# Altium PCB GameBoard_V1I1.PcbDoc (part 21 of 22)
Units mil, origin at the board's own origin, x right, y up, seen from the top; angles counter-clockwise.
Board outline 7165.35 x 2814.96 mil, 12 copper layers (L1, L2, L3, L4, L5 (PWR), L6 (PWR), L7 (PWR), L8 (PWR), L9, L10, L11, L12), stack 61.575 mil thick; 1551 components, 1072 nets, 5467 pads, 3785 vias.
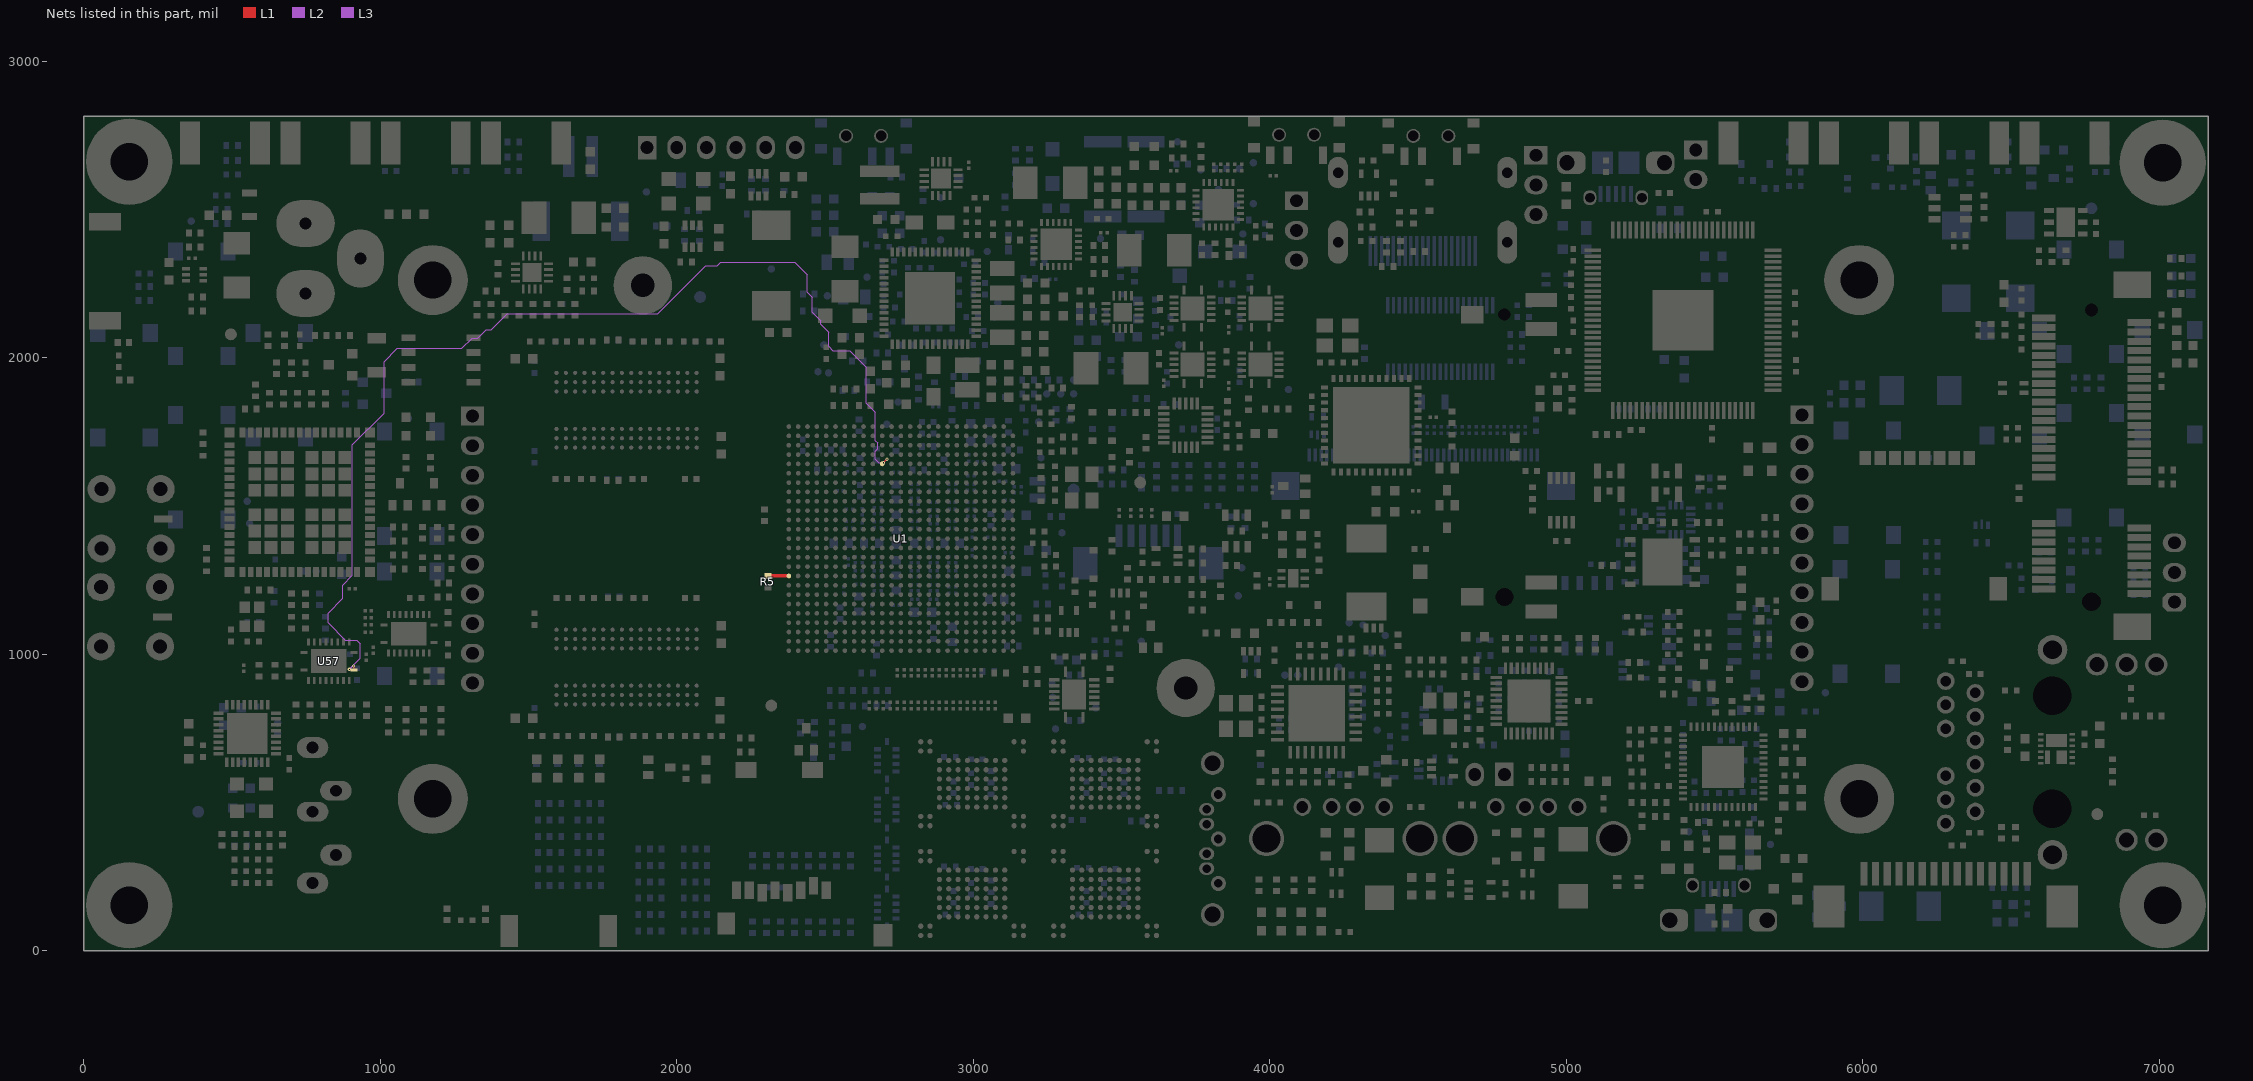
[diagram p31: the nets of this part, all layers, seen from the top]

## Via types
v1: diameter 17.72, hole 7.87, L1 to L12, 1935 vias
v2: diameter 17.72, hole 7.87, L1 to L12, tented both sides, 995 vias
v3: diameter 10.63, hole 3.94, L1 to L2, 334 vias
v4: diameter 11.81, hole 3.94, L2 to L3, 334 vias
v5: diameter 10.63, hole 3.94, L11 to L12, 94 vias
v6: diameter 11.81, hole 3.94, L10 to L11, 93 vias

## Nets (pads, with @x,y where several pads share a name; then routed paths per layer and width w, separated by ;. In a path a pad name is that pad's centre, name@x,y a point inside that pad or via, vN(x,y) a via of type N, cw(c..) or ccw(c..) an arc to the next point about the centre after c; other vN are vias at no path point) (continued)
XTALOSC_REF_CLK_32K: U1.R5 U57.20 | length 3644.2
  L1 w3.15: v3(909.45,960.63) 911.42,958.66 U57.20@911.42,946.85 ; U1.R5@2692.91,1641.73 v3(2708.66,1657.48)
  L3 w3.15: v4(895.67,948.82) 933.07,986.22 933.07,1035.43 921.26,1047.24 881.89,1047.24 823.82,1105.31 823.82,1138.78 873.03,1187.99 873.03,1232.93 905.51,1265.41 905.51,1705.92 1012.8,1813.2 1012.8,1986.22 1058.07,2031.5 1275.07,2031.5 1309.52,2065.94 1328.37,2065.94 1356.92,2094.49 1374.02,2094.49 1428.15,2148.62 1936.02,2148.62 2097.44,2310.04 2136.81,2310.04 2148.62,2321.85 2397.95,2321.85 2439.96,2279.84 2439.96,2220.78 2457.52,2203.22 2457.52,2152.56 2485.24,2124.84 2485.24,2112.2 2511.81,2085.63 2511.81,2038.18 2526.37,2023.62 2582.68,2023.62 2638.78,1967.52 2638.78,1846.06 2669.29,1815.55 2669.29,1720.47 2677.17,1712.6 2677.17,1692.91 2669.29,1685.04 2669.29,1658.16 2681.78,1645.67 v4(2696.85,1645.67)
  L2 w3.15: v4(895.67,948.82) 897.64,948.82 v3(909.45,960.63) ; v4(2696.85,1645.67) v3(2708.66,1657.48)
ZQPAD: R5.1 U1.AE17 | length 66.9
  L1 w11.81: R5.1@2311.02,1263.78 U1.AE17@2377.95,1263.78
pads on no net: A1.2 A2.2 CTP1. FID1.1 FID2.1 FID3.1 FID4.1 FID5.1 FID6.1 FID7.1 FID8.1 J2.3 J2.5 J2.7 J2.45 J2.47 J2.55 J2.56 J3.7 J3.8 J8. J14.8 J18.4 J20.0 LCD1.35 LCD2. SW1.0 SW2.0 SW3.0 U1.A9 U1.A10 U1.A11 U1.AA1 U1.AA2 U1.AA3 U1.AA4 U1.AA11 U1.AB1 U1.AB2 U1.AB17 U1.AD17 U1.B9 U1.B10 U1.B11 U1.C5 U1.C8 U1.D5 U1.E1 U1.E2 U1.E14 U1.E25 U1.F1 U1.F2 U1.F14 U1.G1 U1.G2 U1.G4 U1.H1 U1.H2 U1.H3 U1.H4 U1.H24 U1.J19 U1.J20 U1.L1 U1.L3 U1.L4 U1.L6 U1.M2 U1.M4 U1.M5 U1.M6 U1.N5 U1.N6 U1.P4 U1.P5 U1.P6 U1.P20 U1.V24 U1.W6 U1.W21 U1.W24 U1.Y1 U1.Y2 U1.Y3 U1.Y4 U2.J1 U2.J9 U2.L1 U2.L9 U3.J1 U3.J9 U3.L1 U3.L9 U4.J1 U4.J9 U4.L1 U4.L9 U5.J1 U5.J9 U5.L1 U5.L9 U14.43 U17.1 U18.18 U18.20 U20.8 U20.9 U20.11 U20.12 U20.17 U20.18 U20.19 U20.22 U20.28 U28.3 U28.4 U32.1 U42.40 U42.41 U42.42 U42.49 U42.50 U42.51 U42.52 U42.53 U42.54 U42.55 U42.56 U42.59 U42.60 U42.61 U42.62 U42.63 U42.64 U42.65 U42.66 U42.69 U42.70 U42.71 U42.72 U42.73 U42.74 U42.75 U42.77 U42.96 U43.1 U43.13 U43.25 U43.34 U43.35 U43.36 U43.44 U44.33 U47.A1 U47.A2 U47.A9 U47.A10 U47.B1 U47.B9 U47.B10 U47.D6 U47.D7 U47.D8 U47.E3 U47.E4 U47.E5 U47.E6 U47.E7 U47.E8 U47.F3 U47.F4 U47.F5 U47.F6 U47.F8 U47.G3 U47.G6 U47.G7 U47.G8 U47.H3 U47.H5 U47.H6 U47.H7 U47.J3 U47.J5 U47.L1 U47.L2 U47.L9 U47.L10 U47.M1 U47.M2 U47.M9 U47.M10 U48.A1 U48.A2 U48.A9 U48.A10 U48.B1 U48.B9 U48.B10 U48.D6 U48.D7 U48.D8 U48.E3 U48.E4 U48.E5 U48.E6 U48.E7 U48.E8 U48.F3 U48.F4 U48.F5 U48.F6 U48.F8 U48.G3 U48.G6 U48.G7 U48.G8 U48.H3 U48.H5 U48.H6 U48.H7 U48.J3 U48.J5 U48.L1 U48.L2 U48.L9 U48.L10 U48.M1 U48.M2 U48.M9 U48.M10 U49.A1 U49.A2 U49.A9 U49.A10 U49.B1 U49.B9 U49.B10 U49.D6 U49.D7 U49.D8 U49.E3 U49.E4 U49.E5 U49.E6 U49.E7 U49.E8 U49.F3 U49.F4 U49.F5 U49.F6 U49.F8 U49.G3 U49.G6 U49.G7 U49.G8 U49.H3 U49.H5 U49.H6 U49.H7 U49.J3 U49.J5 U49.L1 U49.L2 U49.L9 U49.L10 U49.M1 U49.M2 U49.M9 U49.M10 U50.A1 U50.A2 U50.A9 U50.A10 U50.B1 U50.B9 U50.B10 U50.D6 U50.D7 U50.D8 U50.E3 U50.E4 U50.E5 U50.E6 U50.E7 U50.E8 U50.F3 U50.F4 U50.F5 U50.F6 U50.F8 U50.G3 U50.G6 U50.G7 U50.G8 U50.H3 U50.H5 U50.H6 U50.H7 U50.J3 U50.J5 U50.L1 U50.L2 U50.L9 U50.L10 U50.M1 U50.M2 U50.M9 U50.M10 U52.1 U54.6 U55.2 U55.3 U55.4 U55.5 U55.21 U55.22 U55.25 U55.62 U58.1
copper on no net:
  other v1: 1681.1,2401.57

## Polygon pours and split planes (outlines as drawn)
BAT1 on L1 "L1-BAT1" (solid, remove dead copper, pour order 1364): 3763.78,2539.37 3720.47,2539.37 3720.47,2590.55 3724.41,2594.49 3759.84,2594.49 3763.78,2590.55
VBUS2 on L1 "L1-VBUS2" (solid, remove dead copper, pour order 1360): 3236.22,2318.9 3236.22,2279.53 3196.85,2279.53 3196.85,2318.9
GND on L1 "L1-GND 14" (solid, remove dead copper, pour order 1354): 41 vertices, not listed, extent 373.42,1666.72 536.03,1742.72
GND on L1 "L1-GND 29" (solid, remove dead copper, pour order 1348): 362.2,1248.03 361.79,1248.44 361.79,1340.08 367.84,1346.12 368.23,1345.73 396.39,1345.73 397.64,1344.49 397.64,1248.03
+1V8_WIFI on L1 "L1-+1V8_WIFI 1" (solid, remove dead copper, pour order 1346): 996.06,1070.87 992.13,1074.8 992.13,1098.43 1000,1106.3 1000,1161.42 972.44,1161.42 964.57,1153.54 964.57,1059.06 972.44,1051.18 996.06,1051.18
+5V on L1 "L1-+5V 2" (solid, remove dead copper, pour order 1342): 2681.1,2314.96 2681.1,2303.15 2720.47,2303.15 2724.41,2299.21 2724.41,2258.65 2737.98,2245.08 2759.84,2245.08 2759.84,2267.72 2744.09,2283.46 2744.09,2314.96
GND on L1 "L1-GND 28" (solid, remove dead copper, pour order 1338): 2271.65,248.03 2303.15,248.03 2303.15,141.73 2271.65,141.73
no net on L1 "L1-No Net 1" (solid, remove dead copper, pour order 1336): 2267.72,248.03
GND on L1 "L1-GND 27" (solid, remove dead copper, pour order 1334): 574.8,1177.17 574.8,1137.8 610.24,1137.8 622.05,1125.98 622.05,1098.43 645.67,1098.43 645.67,1177.17
+1V8_WIFI_OSO on L1 "L1-+1V8_WIFI_OSO" (solid, remove dead copper, pour order 1332): 484.25,1055.12 523.62,1055.12 523.62,1114.17 562.99,1114.17 562.99,1031.5 484.25,1031.5
+3V3_WIFI on L1 "L1-+3V3_WIFI 2" (solid, remove dead copper, pour order 1328): 1240.16,1007.87 1216.54,1007.87 1208.66,1015.75 1161.42,1015.75 1161.42,992.13 1173.23,980.31 1220.47,980.31 1236.22,964.57 1255.91,964.57 1259.84,968.5 1259.84,988.19
GND on L1 "L1-GND 26" (solid, remove dead copper, pour order 1322): 4212.6,2086.61 4212.6,2177.17 4149.61,2177.17 4149.61,2086.61
GND on L1 "L1-GND 22" (solid, remove dead copper, pour order 422): 2688.98,2480.31 2688.98,2454.34 2698.19,2445.12 2726.87,2445.12 2732.28,2439.71 2732.28,2433.07 2716.54,2417.32 2716.54,2397.64 2700.79,2381.89 2688.98,2381.89 2681.1,2389.76 2681.1,2409.45 2625.98,2464.57 2625.98,2480.31
+VIN_4V2 on L1 "L1-+VIN_4V2 5" (solid, remove dead copper, pour order 1314): 2712.6,2295.28 2637.8,2295.28 2629.92,2303.15 2629.92,2338.58 2614.17,2354.33 2614.17,2413.39 2519.68,2413.39 2519.68,2334.65 2555.12,2299.21 2598.43,2299.21 2614.17,2283.46 2712.6,2283.46
+5V_USB_OTG on L1 "L1-+5V_USB_OTG 1" (solid, remove dead copper, pour order 1312): 5366.14,295.28 5381.89,279.53 5381.89,237.46 5376.72,232.28 5318.9,232.28 5318.9,295.28
3V3_AVDD on L1 "L1-3V3_AVDD" (solid, remove dead copper, pour order 1302): 5027.56,2255.91 5003.94,2255.91 4980.31,2232.28 4980.31,2216.54 5003.94,2192.91 5026.57,2192.91 5051.18,2217.52 5051.18,2232.28
+3V3_HDR on L1 "L1-+3V3_HDR 3" (solid, remove dead copper, pour order 1300): 5606.3,1181.1 5622.05,1165.35 5622.05,1122.05 5543.31,1122.05 5543.31,1181.1
+3V3_HDR_J1 on L1 "L1-+3V3_HDR_J1" (solid, remove dead copper, pour order 1288): 5574.8,1240.16 5574.8,1208.66 5602.36,1208.66 5637.8,1173.23 5637.8,1157.48 5681.1,1157.48 5692.91,1169.29 5720.47,1169.29 5720.47,1240.16
+3V3 on L1 "L1-+3V3 12" (solid, remove dead copper, pour order 1286): 3633.86,1295.28 3559.06,1295.28 3559.06,1318.9 3578.74,1318.9 3594.49,1334.65 3606.3,1334.65 3625.98,1314.96 3633.86,1314.96
+3V3_FLASH on L1 "L1-+3V3_FLASH" (solid, remove dead copper, pour order 1268): 3161.42,818.9 3161.42,748.03 3212.6,748.03 3212.6,795.28 3188.98,818.9
+3V3 on L1 "L1-+3V3 13" (solid, remove dead copper, pour order 1266): 3102.36,818.9 3102.36,748.03 3153.54,748.03 3153.54,818.9
+3V3 on L1 "L1-+3V3 14" (solid, remove dead copper, pour order 1264): 4358.27,1625.98 4358.27,1578.74 4338.58,1559.06 4338.58,1551.18 4322.83,1535.43 4322.83,1464.57 4385.83,1464.57 4385.83,1559.05 4401.57,1574.8 4401.57,1625.98
+5V on L1 "L1-+5V 1" (solid, remove dead copper, pour order 1260): 4527.56,204.72 4527.56,133.86 4590.55,133.86 4590.55,204.72
no net on L1 "L1-No Net" (solid, remove dead copper, pour order 1254): 4527.56,204.72
+VIN_5V on L1 "L1-+VIN_5V 5" (solid, remove dead copper, pour order 1252): 4452.76,133.86 4452.76,204.72 4511.81,204.72 4511.81,133.86
GND on L1 "L1-GND 23" (solid, remove dead copper, pour order 1250): 368.87,1260.11 369.14,1259.84 397.64,1259.84 397.64,1135.6 369.96,1107.91 369.96,1107.72
GND on L1 "L1-GND 24" (solid, remove dead copper, pour order 1246): 128 vertices, not listed, extent 206.09,1086.02 453.35,1396.27
GND on L1 "L1-GND 25" (solid, remove dead copper, pour order 1240): 88 vertices, not listed, extent 208.06,1416.72 441.54,1707.29
LED_SW on L1 "L1-LED_SW" (solid, remove dead copper, pour order 1238): 4393.7,1114.17 4547.24,1114.17 4547.24,1188.98 4409.45,1188.98 4393.7,1204.72 4362.2,1236.22 4102.67,1236.22 4102.36,1208.66 4118.11,1192.91 4240.16,1192.91 4240.16,1114.17
+3V3_HDR on L1 "L1-+3V3_HDR 2" (solid, remove dead copper, pour order 1234): 1129.92,2437.99 1203.74,2437.99 1204.72,2437.01 1204.72,2515.75 1129.92,2515.75
+3V3_WIFI on L1 "L1-+3V3_WIFI 1" (solid, remove dead copper, pour order 1232): 1070.87,2510.83 1070.87,2476.38 1055.12,2460.63 1055.12,2417.32 1118.11,2417.32 1118.11,2463.58 1106.3,2475.39 1106.3,2510.66
+3V3 on L1 "L1-+3V3 10" (solid, remove dead copper, pour order 1230): 1047.24,2444.88 976.38,2444.88 976.38,2511.81 1046.26,2511.81 1047.24,2510.83
F_VIN on L1 "L1-F_VIN" (solid, remove dead copper, pour order 1228): 4023.62,1322.83 4086.61,1322.83 4106.3,1303.15 4106.3,1275.59 4130.91,1275.59 4158.46,1303.15 4181.1,1303.15 4216.54,1338.58 4397.64,1338.58 4397.64,1437.01 4232.28,1437.01 4173.23,1377.95 4141.73,1377.95 4122.05,1358.27 4023.62,1358.27
LED_A on L1 "L1-LED_A" (solid, remove dead copper, pour order 1226): 4500,1389.76 4448.82,1389.76 4448.82,1334.65 4480.31,1303.15 4480.31,1251.97 4535.43,1251.97 4535.43,1303.15 4500,1338.58
GND on L1 "L1-GND 21" (solid, remove dead copper, pour order 1224): 5098.43,133.86 4948.82,133.86 4948.82,228.35 5098.43,228.35
+3V3_LDO on L1 "L1-+3V3_LDO" (solid, remove dead copper, pour order 1222): 4047.24,511.81 4047.24,496.06 4062.99,480.32 4062.99,452.76 4007.87,452.76 4007.87,480.32 4023.62,496.06 4023.62,511.81
+3V3_MCU on L1 "L1-+3V3_MCU" (solid, remove dead copper, pour order 1220): 3984.25,488.19 3984.25,503.94 3968.5,519.68 3968.5,547.24 4023.62,547.24 4023.62,519.68 4007.87,503.94 4007.87,488.19
+3V3 on L1 "L1-+3V3 11" (solid, remove dead copper, pour order 1218): 3968.5,511.81 3968.5,496.06 3984.25,480.32 3984.25,452.76 3929.13,452.76 3929.13,480.32 3944.88,496.06 3944.88,511.81
+VIN_5V on L1 "L1-+VIN_5V 4" (solid, remove dead copper, pour order 1216): 5118.11,555.12 5118.11,582.68 5106.3,594.49 5106.3,641.73 5145.67,641.73 5165.35,622.05 5165.35,586.61 5153.54,574.8 5153.54,555.12
GND on L1 "L1-GND 13" (solid, remove dead copper, pour order 1214): 115 vertices, not listed, extent 80.11,1710.03 441.54,2006.5
+VCC_CAN on L1 "L1-+VCC_CAN" (solid, remove dead copper, pour order 1212): 20 vertices, not listed, extent 5240.16,889.76 5354.33,1156.5
+1V8_WIFI on L1 "L1-+1V8_WIFI" (solid, remove dead copper, pour order 1194): 511.81,2543.31 602.36,2543.31 602.36,2590.55 511.81,2590.55
SW_1V8WIFI on L1 "L1-SW_1V8WIFI" (solid, remove dead copper, pour order 1190): 389.76,2267.72 440.94,2267.72 452.76,2279.53 464.57,2279.53 566.93,2279.53 566.93,2196.85 444.88,2196.85 389.76,2251.97
PWR_1V8WIFI on L1 "L1-PWR_1V8WIFI" (solid, remove dead copper, pour order 1188): 370.08,2326.77 374.02,2322.83 555.12,2322.83 599.06,2366.77 599.06,2487.56 590.55,2496.06 464.57,2496.06 464.57,2421.26 429.13,2385.83 381.89,2385.83 381.89,2358.27 370.08,2346.46
+SYS on L1 "L1-+SYS 1" (solid, remove dead copper, pour order 1186): 3003.94,2724.41 3074.8,2724.41 3074.8,2633.86 3027.56,2586.61 2984.25,2586.61 2933.07,2586.61 2933.07,2645.67 2996.06,2645.67 3003.94,2653.54
SYS_SW on L1 "L1-SYS_SW" (solid, remove dead copper, pour order 1184): 2850.39,2586.61 2811.02,2586.61 2799.21,2598.43 2633.86,2598.43 2622.05,2610.24 2622.05,2653.54 2811.02,2653.54 2822.83,2641.73 2850.39,2641.73
+VIN_5V on L1 "L1-+VIN_5V 3" (solid, remove dead copper, pour order 1182): 2803.15,2511.81 2559.06,2511.81 2559.06,2594.49 2566.93,2594.49 2618.11,2594.49 2645.67,2566.93 2791.34,2566.93 2803.15,2555.12
GND on L1 "L1-GND 19" (solid, remove dead copper, pour order 1172): 129 vertices, not listed, extent 215.61,70.87 1385.83,1317.53
3V3_DVDD on L1 "L1-3V3_DVDD" (solid, remove dead copper, pour order 1162): 5322.83,2401.57 5322.83,2460.63 5354.33,2492.13 5354.33,2531.5 5362.2,2539.37 5362.2,2566.93 5338.58,2566.93 5338.58,2547.24 5326.77,2535.43 5311.02,2535.43 5303.15,2527.56 5303.15,2464.57 5307.09,2460.63 5307.09,2401.57
PHASE_1V375 on L1 "L1-PHASE_1V375" (solid, remove dead copper, pour order 1156): 3519.69,2114.17 3519.69,2039.37 3539.37,2019.68 3590.55,2019.68 3590.55,1909.45 3507.87,1909.45 3507.87,1948.82 3468.5,1988.19 3468.5,2114.17
+VIN_4V2 on L1 "L1-+VIN_4V2 4" (solid, remove dead copper, pour order 1150): 3527.56,2114.17 3527.56,2047.24 3539.37,2035.43 3574.8,2035.43 3598.43,2059.06 3598.43,2110.24 3574.8,2133.86 3574.8,2153.54 3543.31,2153.54 3543.31,2114.17
+1V375_SOC on L1 "L1-+1V375_SOC" (solid, remove dead copper, pour order 1148): 3456.69,2009.84 3421.26,1974.41 3421.26,1913.39 3338.58,1913.39 3338.58,2062.99 3377.95,2102.36 3456.69,2102.36
GND on L1 "L1-GND 20" (solid, remove dead copper, pour order 1146): 1653.54,2602.36 1708.66,2602.36 1720.47,2614.17 1720.47,2653.54 1692.91,2653.54 1677.17,2669.29 1677.17,2685.04 1669.29,2692.91 1653.54,2692.91
+BAT on L1 "L1-+BAT 1" (solid, remove dead copper, pour order 1144): 1763.78,2606.3 1787.4,2629.92 1787.4,2688.98 1763.78,2712.6 1692.91,2712.6 1692.91,2681.1 1724.41,2681.1 1732.28,2673.23 1732.28,2606.3
GND on L1 "L1-GND 14" (solid, remove dead copper, pour order 1142): 41 vertices, not listed, extent 373.42,1280.9 536.03,1356.9
LED_K on L1 "L1-LED_K" (solid, remove dead copper, pour order 1136): 3968.5,1259.84 3980.31,1271.65 4055.12,1271.65 4059.06,1275.59 4059.06,1311.02 3972.44,1311.02 3944.88,1283.46 3944.88,1259.84
+VDD_CSI on L1 "L1-+VDD_CSI" (solid, remove dead copper, pour order 1134): 6405.51,208.66 6531.5,208.66 6543.31,220.47 6543.31,299.21 6578.74,299.21 6578.74,165.35 6405.51,165.35
+5V_USB_TOP on L1 "L1-+5V_USB_TOP" (solid, remove dead copper, pour order 1102): 18 vertices, not listed, extent 4893.7,303.15 5137.8,586.61
+5V_USB_BOT on L1 "L1-+5V_USB_BOT" (solid, remove dead copper, pour order 1098): 21 vertices, not listed, extent 4248.03,228 4563,535.43
GND on L1 "L1-GND 15" (solid, remove dead copper, pour order 1096): 4295.28,133.86 4440.94,133.86 4440.94,244.09 4437.01,248.03 4295.28,248.03
+3V3 on L1 "L1-+3V3 9" (solid, remove dead copper, pour order 1094): 20 vertices, not listed, extent 3952.76,51.18 4244.09,110.24
GND on L1 "L1-GND 16" (solid, remove dead copper, pour order 1092): 2606.3,106.3 2606.3,35.43 2625.98,15.75 2732.28,15.75 2728.35,19.68 2728.35,106.3 2720.47,114.17 2692.91,114.17 2669.29,90.55 2645.67,90.55 2629.92,106.3
GND on L1 "L1-GND 17" (solid, remove dead copper, pour order 1090): 5625.98,740.16 5661.42,740.16 5681.1,759.84 5681.1,799.21 5625.98,799.21 5618.11,791.34 5618.11,767.72 5625.98,759.84
GND on L1 "L1-GND 18" (solid, remove dead copper, pour order 1088): 5496.06,358.27 5496.06,381.89 5503.94,389.76 5503.94,417.32 5527.56,440.94 5551.18,440.94 5551.18,409.45 5570.87,389.76 5570.87,338.58 5515.75,338.58
+3V3_MPCIE on L1 "L1-+3V3_MPCIE" (solid, remove dead copper, pour order 1084): 7039.37,1966.82 7037.12,1966.82 7031.5,1972.44 6889.76,1972.44 6889.76,1917.32 7039.37,1917.32
+3V3_MPCIE on L1 "L1-+3V3_MPCIE 1" (solid, remove dead copper, pour order 1082): 6649.61,2122.05 6649.61,2161.42 6606.3,2204.72 6468.5,2204.72 6452.76,2220.47 6405.51,2220.47 6405.51,2169.29 6409.45,2165.35 6500,2165.35 6543.31,2122.05
+3V3 on L1 "L1-+3V3 6" (solid, remove dead copper, pour order 1080): 6460.63,2228.35 6460.63,2248.03 6440.94,2267.72 6440.94,2322.83 6511.81,2322.83 6511.81,2267.72 6492.13,2248.03 6492.13,2228.35
+MPCIE_SIM_VPP on L1 "L1-+MPCIE_SIM_VPP" (solid, remove dead copper, pour order 1078): 6566.93,1429.13 6653.54,1429.13 6653.54,1480.31 6566.93,1480.31
GND on L1 "L1-GND 10" (solid, remove dead copper, pour order 1074): 6822.83,1145.67 6822.83,1043.31 6996.06,1043.31 6996.06,1145.67
+1V2_PMIC on L1 "L1-+1V2_PMIC" (solid, remove dead copper, pour order 1070): 6858.27,582.68 6834.65,582.68 6814.96,562.99 6814.96,531.5 6822.83,523.62 6874.02,523.62 6874.02,566.93
+1V2_ETH on L1 "L1-+1V2_ETH" (solid, remove dead copper, pour order 1068): 6858.27,618.11 6858.27,594.49 6834.65,594.49 6814.96,574.8 6791.34,574.8 6791.34,618.11 6803.15,629.92 6822.83,629.92 6834.65,618.11
+VIN_4V2 on L1 "L1-+VIN_4V2 3" (solid, remove dead copper, pour order 1062): 6515.75,641.73 6456.69,641.73 6456.69,688.98 6515.75,688.98
+3V3 on L1 "L1-+3V3 7" (solid, remove dead copper, pour order 1060): 6500,744.09 6472.44,744.09 6452.76,763.78 6452.76,795.28 6515.75,795.28 6515.75,763.78 6511.81,759.84
+VIN_ETH on L1 "L1-+VIN_ETH" (solid, remove dead copper, pour order 1058): 6610.24,736.22 6610.24,724.41 6586.61,724.41 6559.06,696.85 6531.5,696.85 6523.62,704.72 6472.44,704.72 6472.44,728.35 6523.62,728.35 6531.5,736.22
GND on L1 "L1-GND 11" (solid, remove dead copper, pour order 1048): 6515.75,614.17 6574.8,614.17 6574.8,673.23 6531.5,673.23 6527.56,669.29 6527.56,645.67 6515.75,633.86
SW_EP on L1 "L1-SW_EP" (solid, remove dead copper, pour order 1044): 6586.61,696.85 6586.61,625.98 6633.86,625.98 6633.86,677.17 6610.24,677.17 6610.24,696.85
+1V2_REG on L1 "L1-+1V2_REG" (solid, remove dead copper, pour order 1042): 6653.54,625.98 6779.53,625.98 6791.34,637.8 6854.33,637.8 6854.33,692.91 6830.71,716.54 6783.46,716.54 6783.46,712.6 6767.72,696.85 6700.79,696.85 6700.79,669.29 6653.54,669.29
+3V3 on L1 "L1-+3V3 8" (solid, remove dead copper, pour order 1040): 5775.59,559.06 5775.59,527.56 5858.27,527.56 5858.27,559.06
+3V3_ETH_AVDDH on L1 "L1-+3V3_ETH_AVDDH" (solid, remove dead copper, pour order 1032): 25 vertices, not listed, extent 5606.3,468.5 5751.97,559.06
+1V2_ETH on L1 "L1-+1V2_ETH 1" (solid, remove dead copper, pour order 1030): 5834.65,751.97 5826.77,759.84 5775.59,759.84 5775.59,712.6 5811.02,712.6 5818.9,704.72 5830.71,704.72 5834.65,708.66
GND on L1 "L1-GND 12" (solid, remove dead copper, pour order 1028): 5763.78,696.85 5763.78,578.74 5799.21,578.74 5834.65,614.17 5834.65,677.17 5814.96,696.85
+1V2_ETH_AVDDL on L1 "L1-+1V2_ETH_AVDDL" (solid, remove dead copper, pour order 1026): 22 vertices, not listed, extent 5625.98,559.06 5751.97,751.97
+5V_MPCIE on L1 "L1-+5V_MPCIE" (solid, remove dead copper, pour order 1016): 6972.44,2074.8 7015.75,2074.8 7043.31,2047.24 7043.31,2023.62 7129.92,2023.62 7129.92,2059.06 7070.87,2118.11 6992.13,2118.11 6972.44,2137.8 6893.7,2137.8 6893.7,2074.8
+5V on L1 "L1-+5V" (solid, remove dead copper, pour order 1008): 7094.49,1925.2 7055.12,1885.83 7055.12,1850.39 7062.99,1842.52 7090.55,1842.52 7125.98,1877.95 7125.98,1956.69 7133.86,1964.57 7133.86,2000 7094.49,2000
+VIN_5V on L1 "L1-+VIN_5V 1" (solid, remove dead copper, pour order 1006): 7078.74,1913.39 7078.74,2000 7039.37,2000 7039.37,1964.57 7047.24,1956.69 7047.24,1913.39 7055.12,1905.51 7070.87,1905.51
+3V3 on L1 "L1-+3V3 2" (solid, remove dead copper, pour order 1004): 3992.13,1759.84 3992.13,1720.47 4023.62,1688.98 4039.37,1688.98 4047.24,1696.85 4047.24,1748.03 4035.43,1759.84
GND on L1 "L1-GND 1" (solid, remove dead copper, pour order 992): 3724.41,1677.17 3625.98,1677.17 3602.36,1700.79 3602.36,1720.47 3622.05,1740.16 3622.05,1759.84 3700.79,1759.84 3724.41,1736.22
+PULLUP on L1 "L1-+PULLUP" (solid, remove dead copper, pour order 990): 3917.32,2645.67 3917.32,2681.1 3889.76,2708.66 3870.08,2708.66 3866.14,2704.72 3850.39,2704.72 3842.52,2712.6 3818.9,2712.6 3814.96,2708.66 3814.96,2688.98 3822.83,2681.1 3822.83,2645.67
GND on L1 "L1-GND 2" (solid, remove dead copper, pour order 988): 20 vertices, not listed, extent 3444.88,2413.39 3716.54,2649.61
+VBUS on L1 "L1-+VBUS" (solid, remove dead copper, pour order 986): 3889.76,2472.44 3984.25,2472.44 4011.81,2500 4039.37,2500 4059.06,2480.31 4059.06,2460.63 4031.5,2433.07 3889.76,2433.07
+PULLUP on L1 "L1-+PULLUP 1" (solid, remove dead copper, pour order 982): 24 vertices, not listed, extent 3681.1,2624.02 3779.53,2732.28
+BAT on L1 "L1-+BAT" (solid, remove dead copper, pour order 980): 3842.52,2712.6 3850.39,2704.72 3866.14,2704.72 3874.02,2712.6 3874.02,2736.22 3755.91,2736.22 3755.91,2704.72 3771.65,2704.72 3783.46,2692.91 3787.4,2688.98 3799.21,2688.98 3822.83,2712.6
SW1 on L1 "L1-SW1" (solid, remove dead copper, pour order 978): 3803.15,2452.76 3803.15,2409.45 3787.4,2393.7 3787.4,2370.08 3767.72,2370.08 3755.91,2358.27 3755.91,2307.09 3641.73,2307.09 3641.73,2413.39 3681.1,2452.76
GND on L1 "L1-GND 3" (solid, remove dead copper, pour order 976): 3740.16,2492.13 3771.65,2492.13 3803.15,2523.62 3838.58,2523.62 3838.58,2472.44 3826.77,2460.63 3736.22,2460.63 3736.22,2488.19
+SYS on L1 "L1-+SYS" (solid, remove dead copper, pour order 974): 3699.59,2463.37 3708.66,2463.37 3717.91,2472.62 3717.91,2481.69 3736.22,2500 3763.78,2500 3763.78,2531.5 3515.75,2531.5 3515.75,2484.25 3480.31,2448.82 3480.31,2307.09 3566.93,2307.09 3566.93,2338.58 3691.72,2463.37